# KiCad board rgbwstrip120_250_panel.kicad_pcb
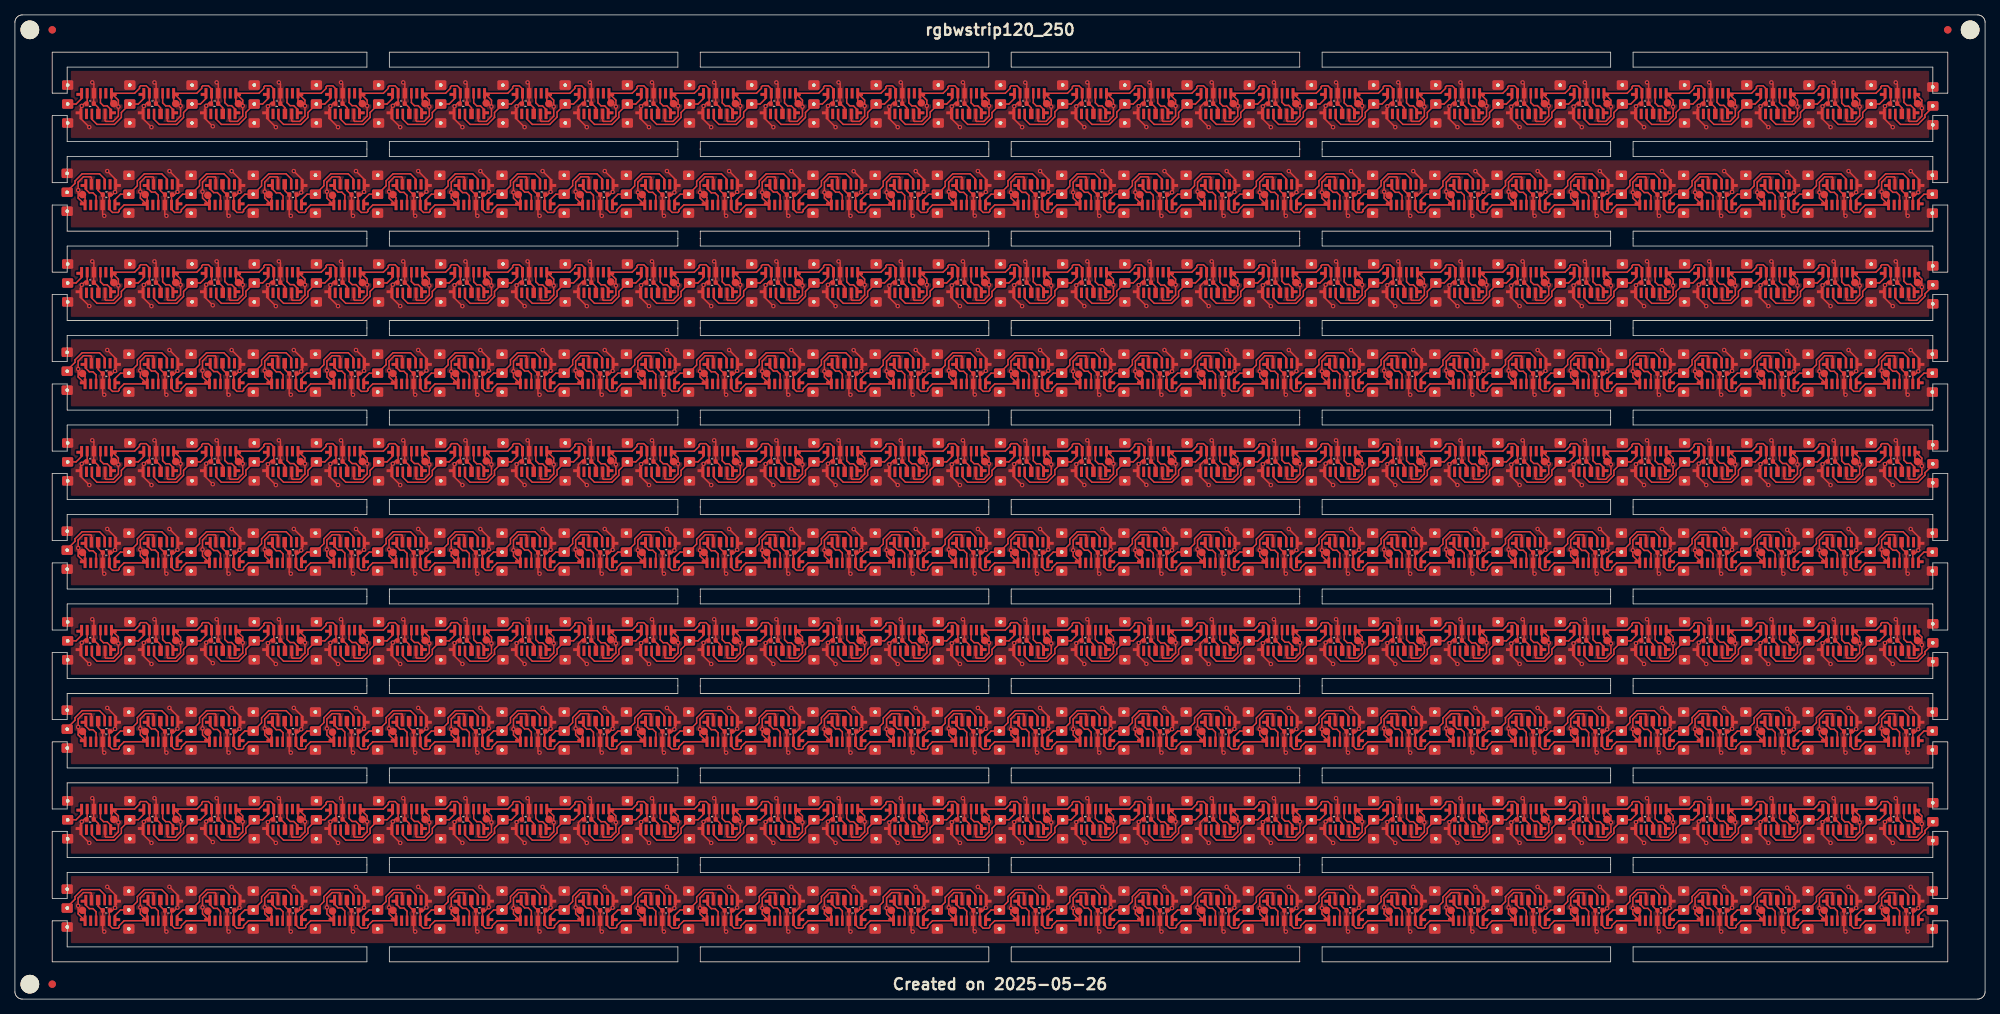
[diagram p0: board, top side]
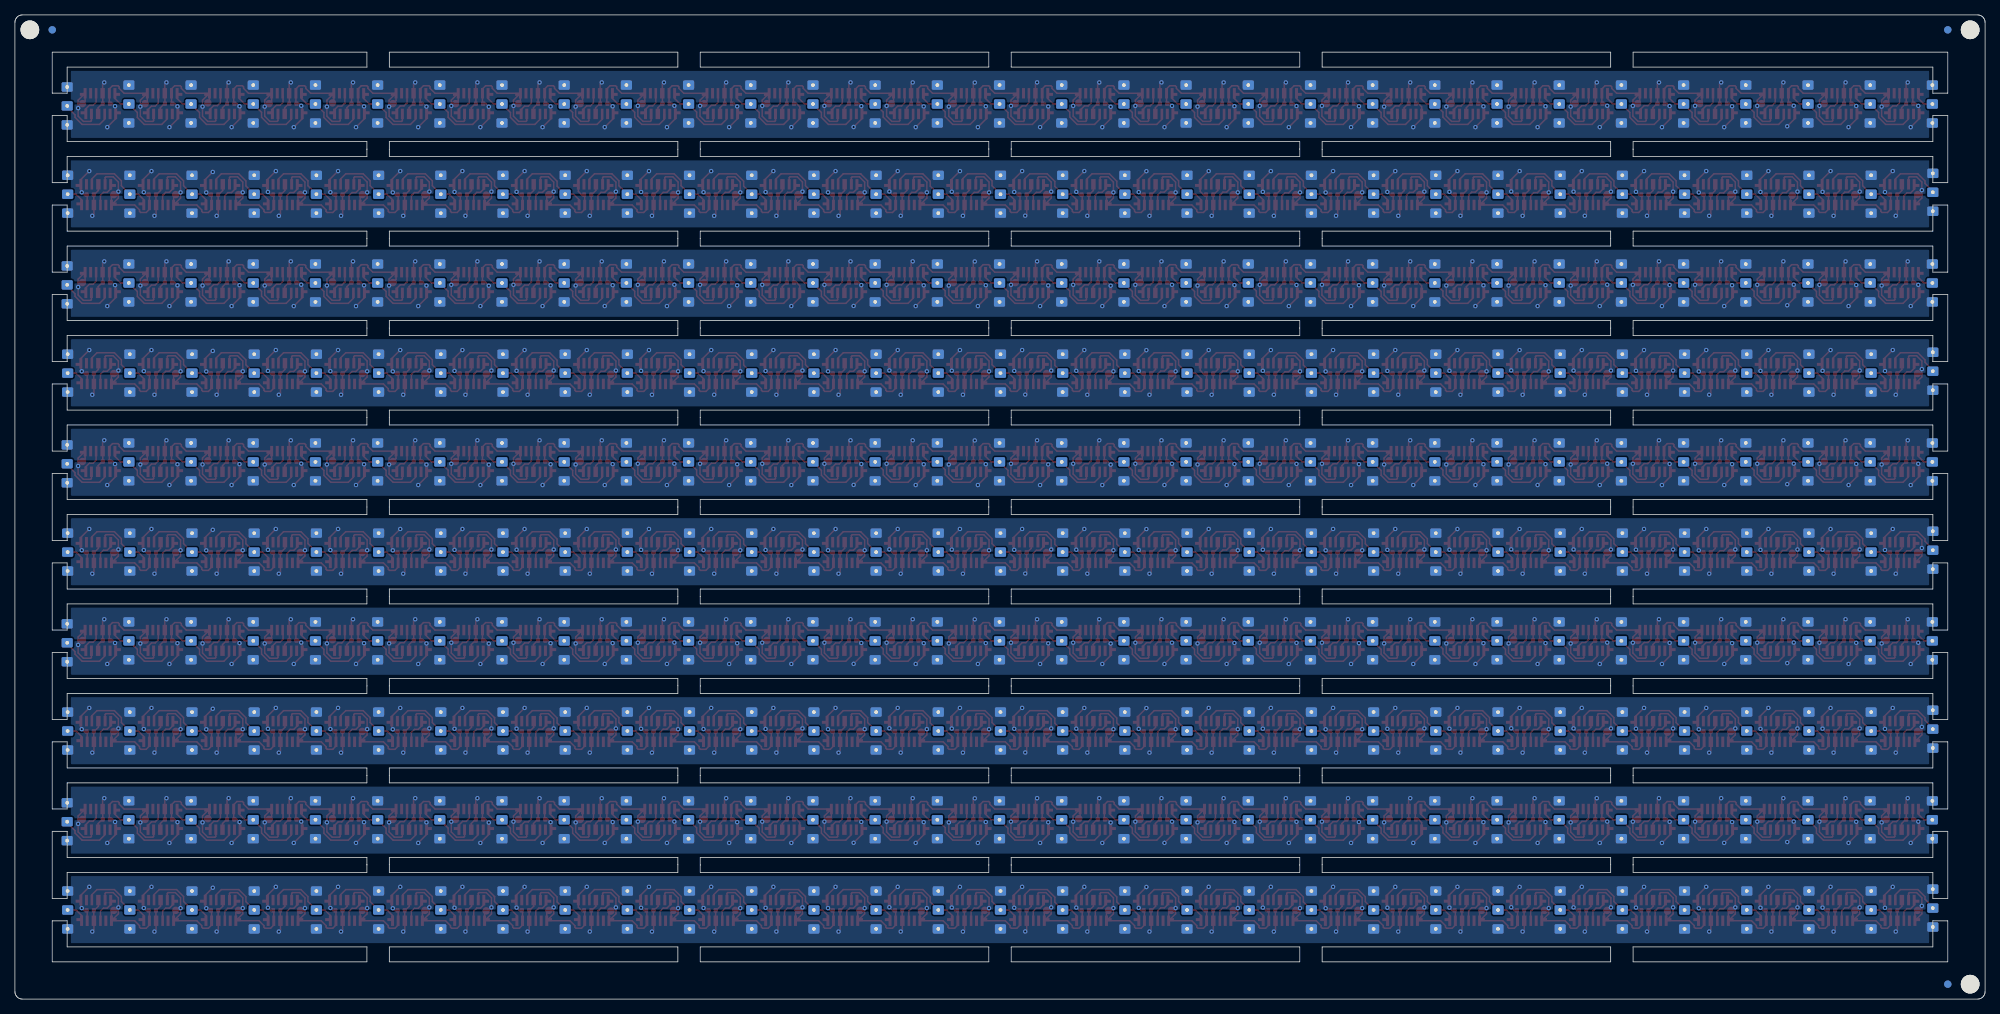
[diagram p1: board, bottom side, seen from below]

Outline 264 x 132 mm; copper layers: Top, Bottom. Coordinates in mm from the lower left corner of the outline.
Outline path: 0,131 0,1 0,0.9 0.02,0.8 0.04,0.71 0.08,0.62 0.12,0.53 0.17,0.44 0.23,0.37 0.29,0.29 0.37,0.23 0.44,0.17 0.53,0.12 0.62,0.08 0.71,0.04 0.8,0.02 0.9,0 1,0 263,0 263.1,0 263.2,0.02 263.29,0.04 263.38,0.08 263.47,0.12 263.56,0.17 263.63,0.23 263.71,0.29 263.77,0.37 263.83,0.44 263.88,0.53 263.92,0.62 263.96,0.71 263.98,0.8 264,0.9 264,1 264,131 264,131.1 263.98,131.2 263.96,131.29 263.92,131.38 263.88,131.47 263.83,131.56 263.77,131.63 263.71,131.71 263.63,131.77 263.56,131.83 263.47,131.88 263.38,131.92 263.29,131.96 263.2,131.98 263.1,132 263,132 1,132 0.9,132 0.8,131.98 0.71,131.96 0.62,131.92 0.53,131.88 0.44,131.83 0.37,131.77 0.29,131.71 0.23,131.63 0.17,131.56 0.12,131.47 0.08,131.38 0.04,131.29 0.02,131.2 0,131.1 0,131 ; 5,127 47.17,127 47.17,125 7,125 7,121.5 5,121.5 5,127 ; 5,118.5 7,118.5 7,115 47.17,115 47.17,113 7,113 7,109.5 5,109.5 5,118.5 ; 5,106.5 7,106.5 7,103 47.17,103 47.17,101 7,101 7,97.5 5,97.5 5,106.5 ; 5,94.5 7,94.5 7,91 47.17,91 47.17,89 7,89 7,85.5 5,85.5 5,94.5 ; 5,82.5 7,82.5 7,79 47.17,79 47.17,77 7,77 7,73.5 5,73.5 5,82.5 ; 5,70.5 7,70.5 7,67 47.17,67 47.17,65 7,65 7,61.5 5,61.5 5,70.5 ; 5,58.5 7,58.5 7,55 47.17,55 47.17,53 7,53 7,49.5 5,49.5 5,58.5 ; 5,46.5 7,46.5 7,43 47.17,43 47.17,41 7,41 7,37.5 5,37.5 5,46.5 ; 5,34.5 7,34.5 7,31 47.17,31 47.17,29 7,29 7,25.5 5,25.5 5,34.5 ; 5,22.5 7,22.5 7,19 47.17,19 47.17,17 7,17 7,13.5 5,13.5 5,22.5 ; 5,10.5 7,10.5 7,7 47.17,7 47.17,5 5,5 5,10.5 ; 50.17,127 88.83,127 88.83,125 50.17,125 50.17,127 ; 50.17,115 88.83,115 88.83,113 50.17,113 50.17,115 ; 50.17,103 88.83,103 88.83,101 50.17,101 50.17,103 ; 50.17,91 88.83,91 88.83,89 50.17,89 50.17,91 ; 50.17,79 88.83,79 88.83,77 50.17,77 50.17,79 ; 50.17,67 88.83,67 88.83,65 50.17,65 50.17,67 ; 50.17,55 88.83,55 88.83,53 50.17,53 50.17,55 ; 50.17,43 88.83,43 88.83,41 50.17,41 50.17,43 ; 50.17,31 88.83,31 88.83,29 50.17,29 50.17,31 ; 50.17,19 88.83,19 88.83,17 50.17,17 50.17,19 ; 50.17,7 88.83,7 88.83,5 50.17,5 50.17,7 ; 91.83,127 130.5,127 130.5,125 91.83,125 91.83,127 ; 91.83,115 130.5,115 130.5,113 91.83,113 91.83,115 ; 91.83,103 130.5,103 130.5,101 91.83,101 91.83,103 ; 91.83,91 130.5,91 130.5,89 91.83,89 91.83,91 ; 91.83,79 130.5,79 130.5,77 91.83,77 91.83,79 ; 91.83,67 130.5,67 130.5,65 91.83,65 91.83,67 ; 91.83,55 130.5,55 130.5,53 91.83,53 91.83,55 ; 91.83,43 130.5,43 130.5,41 91.83,41 91.83,43 ; 91.83,31 130.5,31 130.5,29 91.83,29 91.83,31 ; 91.83,19 130.5,19 130.5,17 91.83,17 91.83,19 ; 91.83,7 130.5,7 130.5,5 91.83,5 91.83,7 ; 133.5,127 172.17,127 172.17,125 133.5,125 133.5,127 ; 133.5,115 172.17,115 172.17,113 133.5,113 133.5,115 ; 133.5,103 172.17,103 172.17,101 133.5,101 133.5,103 ; 133.5,91 172.17,91 172.17,89 133.5,89 133.5,91 ; 133.5,79 172.17,79 172.17,77 133.5,77 133.5,79 ; 133.5,67 172.17,67 172.17,65 133.5,65 133.5,67 ; 133.5,55 172.17,55 172.17,53 133.5,53 133.5,55 ; 133.5,43 172.17,43 172.17,41 133.5,41 133.5,43 ; 133.5,31 172.17,31 172.17,29 133.5,29 133.5,31 ; 133.5,19 172.17,19 172.17,17 133.5,17 133.5,19 ; 133.5,7 172.17,7 172.17,5 133.5,5 133.5,7 ; 175.17,127 213.83,127 213.83,125 175.17,125 175.17,127 ; 175.17,115 213.83,115 213.83,113 175.17,113 175.17,115 ; 175.17,103 213.83,103 213.83,101 175.17,101 175.17,103 ; 175.17,91 213.83,91 213.83,89 175.17,89 175.17,91 ; 175.17,79 213.83,79 213.83,77 175.17,77 175.17,79 ; 175.17,67 213.83,67 213.83,65 175.17,65 175.17,67 ; 175.17,55 213.83,55 213.83,53 175.17,53 175.17,55 ; 175.17,43 213.83,43 213.83,41 175.17,41 175.17,43 ; 175.17,31 213.83,31 213.83,29 175.17,29 175.17,31 ; 175.17,19 213.83,19 213.83,17 175.17,17 175.17,19 ; 175.17,7 213.83,7 213.83,5 175.17,5 175.17,7 ; 216.83,127 259,127 259,121.5 257,121.5 257,125 216.83,125 216.83,127 ; 216.83,115 257,115 257,118.5 259,118.5 259,109.5 257,109.5 257,113 216.83,113 216.83,115 ; 216.83,103 257,103 257,106.5 259,106.5 259,97.5 257,97.5 257,101 216.83,101 216.83,103 ; 216.83,91 257,91 257,94.5 259,94.5 259,85.5 257,85.5 257,89 216.83,89 216.83,91 ; 216.83,79 257,79 257,82.5 259,82.5 259,73.5 257,73.5 257,77 216.83,77 216.83,79 ; 216.83,67 257,67 257,70.5 259,70.5 259,61.5 257,61.5 257,65 216.83,65 216.83,67 ; 216.83,55 257,55 257,58.5 259,58.5 259,49.5 257,49.5 257,53 216.83,53 216.83,55 ; 216.83,43 257,43 257,46.5 259,46.5 259,37.5 257,37.5 257,41 216.83,41 216.83,43 ; 216.83,31 257,31 257,34.5 259,34.5 259,25.5 257,25.5 257,29 216.83,29 216.83,31 ; 216.83,19 257,19 257,22.5 259,22.5 259,13.5 257,13.5 257,17 216.83,17 216.83,19 ; 216.83,7 257,7 257,10.5 259,10.5 259,5 216.83,5 216.83,7

## Placement (name value [footprint] x y rotation side)
C1  100n  [C_0402_1005Metric]  253.92 59.9 180 top
C1#2  100n  [C_0402_1005Metric]  253.92 11.9 180 top
C1#3  100n  [C_0402_1005Metric]  10.08 72.1 0 top
C1#4  100n  [C_0402_1005Metric]  253.92 35.9 180 top
C1#5  100n  [C_0402_1005Metric]  253.92 107.9 180 top
C1#6  100n  [C_0402_1005Metric]  10.08 48.1 0 top
C1#7  100n  [C_0402_1005Metric]  10.08 96.1 0 top
C1#8  100n  [C_0402_1005Metric]  10.08 120.1 0 top
C1#9  100n  [C_0402_1005Metric]  10.08 24.1 0 top
C1#10  100n  [C_0402_1005Metric]  253.92 83.9 180 top
C2  100n  [C_0402_1005Metric]  18.42 48.1 0 top
C2#2  100n  [C_0402_1005Metric]  18.42 96.1 0 top
C2#3  100n  [C_0402_1005Metric]  245.58 107.9 180 top
C2#4  100n  [C_0402_1005Metric]  245.58 35.9 180 top
C2#5  100n  [C_0402_1005Metric]  245.58 83.9 180 top
C2#6  100n  [C_0402_1005Metric]  18.42 72.1 0 top
C2#7  100n  [C_0402_1005Metric]  18.42 24.1 0 top
C2#8  100n  [C_0402_1005Metric]  245.58 59.9 180 top
C2#9  100n  [C_0402_1005Metric]  245.58 11.9 180 top
C2#10  100n  [C_0402_1005Metric]  18.42 120.1 0 top
C3  100n  [C_0402_1005Metric]  237.25 83.9 180 top
C3#2  100n  [C_0402_1005Metric]  26.75 96.1 0 top
C3#3  100n  [C_0402_1005Metric]  237.25 107.9 180 top
C3#4  100n  [C_0402_1005Metric]  237.25 35.9 180 top
C3#5  100n  [C_0402_1005Metric]  237.25 11.9 180 top
C3#6  100n  [C_0402_1005Metric]  237.25 59.9 180 top
C3#7  100n  [C_0402_1005Metric]  26.75 72.1 0 top
C3#8  100n  [C_0402_1005Metric]  26.75 120.1 0 top
C3#9  100n  [C_0402_1005Metric]  26.75 24.1 0 top
C3#10  100n  [C_0402_1005Metric]  26.75 48.1 0 top
C4  100n  [C_0402_1005Metric]  228.92 107.9 180 top
C4#2  100n  [C_0402_1005Metric]  35.08 72.1 0 top
C4#3  100n  [C_0402_1005Metric]  35.08 48.1 0 top
C4#4  100n  [C_0402_1005Metric]  35.08 24.1 0 top
C4#5  100n  [C_0402_1005Metric]  228.92 35.9 180 top
C4#6  100n  [C_0402_1005Metric]  35.08 96.1 0 top
C4#7  100n  [C_0402_1005Metric]  228.92 83.9 180 top
C4#8  100n  [C_0402_1005Metric]  228.92 59.9 180 top
C4#9  100n  [C_0402_1005Metric]  35.08 120.1 0 top
C4#10  100n  [C_0402_1005Metric]  228.92 11.9 180 top
C5  100n  [C_0402_1005Metric]  43.42 72.1 0 top
C5#2  100n  [C_0402_1005Metric]  43.42 120.1 0 top
C5#3  100n  [C_0402_1005Metric]  220.58 11.9 180 top
C5#4  100n  [C_0402_1005Metric]  220.58 59.9 180 top
C5#5  100n  [C_0402_1005Metric]  220.58 107.9 180 top
C5#6  100n  [C_0402_1005Metric]  220.58 35.9 180 top
C5#7  100n  [C_0402_1005Metric]  43.42 96.1 0 top
C5#8  100n  [C_0402_1005Metric]  43.42 48.1 0 top
C5#9  100n  [C_0402_1005Metric]  220.58 83.9 180 top
C5#10  100n  [C_0402_1005Metric]  43.42 24.1 0 top
C6  100n  [C_0402_1005Metric]  212.25 59.9 180 top
C6#2  100n  [C_0402_1005Metric]  212.25 83.9 180 top
C6#3  100n  [C_0402_1005Metric]  51.75 48.1 0 top
C6#4  100n  [C_0402_1005Metric]  51.75 24.1 0 top
C6#5  100n  [C_0402_1005Metric]  212.25 35.9 180 top
C6#6  100n  [C_0402_1005Metric]  212.25 107.9 180 top
C6#7  100n  [C_0402_1005Metric]  51.75 72.1 0 top
C6#8  100n  [C_0402_1005Metric]  51.75 96.1 0 top
C6#9  100n  [C_0402_1005Metric]  51.75 120.1 0 top
C6#10  100n  [C_0402_1005Metric]  212.25 11.9 180 top
C7  100n  [C_0402_1005Metric]  60.08 24.1 0 top
C7#2  100n  [C_0402_1005Metric]  203.92 11.9 180 top
C7#3  100n  [C_0402_1005Metric]  203.92 83.9 180 top
C7#4  100n  [C_0402_1005Metric]  60.08 72.1 0 top
C7#5  100n  [C_0402_1005Metric]  203.92 35.9 180 top
C7#6  100n  [C_0402_1005Metric]  203.92 107.9 180 top
C7#7  100n  [C_0402_1005Metric]  203.92 59.9 180 top
C7#8  100n  [C_0402_1005Metric]  60.08 48.1 0 top
C7#9  100n  [C_0402_1005Metric]  60.08 96.1 0 top
C7#10  100n  [C_0402_1005Metric]  60.08 120.1 0 top
C8  100n  [C_0402_1005Metric]  195.58 11.9 180 top
C8#2  100n  [C_0402_1005Metric]  195.58 35.9 180 top
C8#3  100n  [C_0402_1005Metric]  68.42 120.1 0 top
C8#4  100n  [C_0402_1005Metric]  195.58 83.9 180 top
C8#5  100n  [C_0402_1005Metric]  68.42 24.1 0 top
C8#6  100n  [C_0402_1005Metric]  68.42 96.1 0 top
C8#7  100n  [C_0402_1005Metric]  68.42 48.1 0 top
C8#8  100n  [C_0402_1005Metric]  195.58 59.9 180 top
C8#9  100n  [C_0402_1005Metric]  68.42 72.1 0 top
C8#10  100n  [C_0402_1005Metric]  195.58 107.9 180 top
C9  100n  [C_0402_1005Metric]  187.25 59.9 180 top
C9#2  100n  [C_0402_1005Metric]  187.25 11.9 180 top
C9#3  100n  [C_0402_1005Metric]  76.75 72.1 0 top
C9#4  100n  [C_0402_1005Metric]  187.25 83.9 180 top
C9#5  100n  [C_0402_1005Metric]  76.75 48.1 0 top
C9#6  100n  [C_0402_1005Metric]  76.75 120.1 0 top
C9#7  100n  [C_0402_1005Metric]  187.25 35.9 180 top
C9#8  100n  [C_0402_1005Metric]  76.75 96.1 0 top
C9#9  100n  [C_0402_1005Metric]  76.75 24.1 0 top
C9#10  100n  [C_0402_1005Metric]  187.25 107.9 180 top
C10  100n  [C_0402_1005Metric]  178.92 107.9 180 top
C10#2  100n  [C_0402_1005Metric]  85.08 96.1 0 top
C10#3  100n  [C_0402_1005Metric]  178.92 59.9 180 top
C10#4  100n  [C_0402_1005Metric]  178.92 83.9 180 top
C10#5  100n  [C_0402_1005Metric]  178.92 35.9 180 top
C10#6  100n  [C_0402_1005Metric]  85.08 72.1 0 top
C10#7  100n  [C_0402_1005Metric]  85.08 120.1 0 top
C10#8  100n  [C_0402_1005Metric]  178.92 11.9 180 top
C10#9  100n  [C_0402_1005Metric]  85.08 24.1 0 top
C10#10  100n  [C_0402_1005Metric]  85.08 48.1 0 top
C11  100n  [C_0402_1005Metric]  170.58 107.9 180 top
C11#2  100n  [C_0402_1005Metric]  93.42 96.1 0 top
C11#3  100n  [C_0402_1005Metric]  170.58 59.9 180 top
C11#4  100n  [C_0402_1005Metric]  93.42 48.1 0 top
C11#5  100n  [C_0402_1005Metric]  170.58 35.9 180 top
C11#6  100n  [C_0402_1005Metric]  93.42 72.1 0 top
C11#7  100n  [C_0402_1005Metric]  93.42 120.1 0 top
C11#8  100n  [C_0402_1005Metric]  170.58 11.9 180 top
C11#9  100n  [C_0402_1005Metric]  93.42 24.1 0 top
C11#10  100n  [C_0402_1005Metric]  170.58 83.9 180 top
C12  100n  [C_0402_1005Metric]  162.25 35.9 180 top
C12#2  100n  [C_0402_1005Metric]  101.75 48.1 0 top
C12#3  100n  [C_0402_1005Metric]  101.75 24.1 0 top
C12#4  100n  [C_0402_1005Metric]  162.25 11.9 180 top
C12#5  100n  [C_0402_1005Metric]  101.75 96.1 0 top
C12#6  100n  [C_0402_1005Metric]  101.75 120.1 0 top
C12#7  100n  [C_0402_1005Metric]  162.25 107.9 180 top
C12#8  100n  [C_0402_1005Metric]  162.25 59.9 180 top
C12#9  100n  [C_0402_1005Metric]  162.25 83.9 180 top
C12#10  100n  [C_0402_1005Metric]  101.75 72.1 0 top
C13  100n  [C_0402_1005Metric]  153.92 107.9 180 top
C13#2  100n  [C_0402_1005Metric]  153.92 83.9 180 top
C13#3  100n  [C_0402_1005Metric]  110.08 48.1 0 top
C13#4  100n  [C_0402_1005Metric]  110.08 24.1 0 top
C13#5  100n  [C_0402_1005Metric]  153.92 11.9 180 top
C13#6  100n  [C_0402_1005Metric]  153.92 35.9 180 top
C13#7  100n  [C_0402_1005Metric]  110.08 72.1 0 top
C13#8  100n  [C_0402_1005Metric]  110.08 96.1 0 top
C13#9  100n  [C_0402_1005Metric]  110.08 120.1 0 top
C13#10  100n  [C_0402_1005Metric]  153.92 59.9 180 top
C14  100n  [C_0402_1005Metric]  118.42 120.1 0 top
C14#2  100n  [C_0402_1005Metric]  118.42 48.1 0 top
C14#3  100n  [C_0402_1005Metric]  145.58 107.9 180 top
C14#4  100n  [C_0402_1005Metric]  118.42 96.1 0 top
C14#5  100n  [C_0402_1005Metric]  145.58 11.9 180 top
C14#6  100n  [C_0402_1005Metric]  145.58 59.9 180 top
C14#7  100n  [C_0402_1005Metric]  145.58 83.9 180 top
C14#8  100n  [C_0402_1005Metric]  118.42 72.1 0 top
C14#9  100n  [C_0402_1005Metric]  118.42 24.1 0 top
C14#10  100n  [C_0402_1005Metric]  145.58 35.9 180 top
C15  100n  [C_0402_1005Metric]  126.75 96.1 0 top
C15#2  100n  [C_0402_1005Metric]  126.75 24.1 0 top
C15#3  100n  [C_0402_1005Metric]  137.25 11.9 180 top
C15#4  100n  [C_0402_1005Metric]  137.25 107.9 180 top
C15#5  100n  [C_0402_1005Metric]  137.25 35.9 180 top
C15#6  100n  [C_0402_1005Metric]  126.75 72.1 0 top
C15#7  100n  [C_0402_1005Metric]  126.75 120.1 0 top
C15#8  100n  [C_0402_1005Metric]  137.25 83.9 180 top
C15#9  100n  [C_0402_1005Metric]  126.75 48.1 0 top
C15#10  100n  [C_0402_1005Metric]  137.25 59.9 180 top
C16  100n  [C_0402_1005Metric]  135.08 24.1 0 top
C16#2  100n  [C_0402_1005Metric]  135.08 120.1 0 top
C16#3  100n  [C_0402_1005Metric]  135.08 96.1 0 top
C16#4  100n  [C_0402_1005Metric]  128.92 11.9 180 top
C16#5  100n  [C_0402_1005Metric]  135.08 48.1 0 top
C16#6  100n  [C_0402_1005Metric]  128.92 83.9 180 top
C16#7  100n  [C_0402_1005Metric]  128.92 59.9 180 top
C16#8  100n  [C_0402_1005Metric]  135.08 72.1 0 top
C16#9  100n  [C_0402_1005Metric]  128.92 35.9 180 top
C16#10  100n  [C_0402_1005Metric]  128.92 107.9 180 top
C17  100n  [C_0402_1005Metric]  143.42 72.1 0 top
C17#2  100n  [C_0402_1005Metric]  120.58 11.9 180 top
C17#3  100n  [C_0402_1005Metric]  143.42 48.1 0 top
C17#4  100n  [C_0402_1005Metric]  143.42 120.1 0 top
C17#5  100n  [C_0402_1005Metric]  143.42 24.1 0 top
C17#6  100n  [C_0402_1005Metric]  120.58 59.9 180 top
C17#7  100n  [C_0402_1005Metric]  120.58 107.9 180 top
C17#8  100n  [C_0402_1005Metric]  120.58 35.9 180 top
C17#9  100n  [C_0402_1005Metric]  120.58 83.9 180 top
C17#10  100n  [C_0402_1005Metric]  143.42 96.1 0 top
C18  100n  [C_0402_1005Metric]  112.25 107.9 180 top
C18#2  100n  [C_0402_1005Metric]  151.75 48.1 0 top
C18#3  100n  [C_0402_1005Metric]  151.75 24.1 0 top
C18#4  100n  [C_0402_1005Metric]  151.75 72.1 0 top
C18#5  100n  [C_0402_1005Metric]  112.25 59.9 180 top
C18#6  100n  [C_0402_1005Metric]  151.75 120.1 0 top
C18#7  100n  [C_0402_1005Metric]  151.75 96.1 0 top
C18#8  100n  [C_0402_1005Metric]  112.25 35.9 180 top
C18#9  100n  [C_0402_1005Metric]  112.25 11.9 180 top
C18#10  100n  [C_0402_1005Metric]  112.25 83.9 180 top
C19  100n  [C_0402_1005Metric]  103.92 35.9 180 top
C19#2  100n  [C_0402_1005Metric]  103.92 107.9 180 top
C19#3  100n  [C_0402_1005Metric]  160.08 120.1 0 top
C19#4  100n  [C_0402_1005Metric]  160.08 96.1 0 top
C19#5  100n  [C_0402_1005Metric]  160.08 24.1 0 top
C19#6  100n  [C_0402_1005Metric]  103.92 83.9 180 top
C19#7  100n  [C_0402_1005Metric]  103.92 59.9 180 top
C19#8  100n  [C_0402_1005Metric]  103.92 11.9 180 top
C19#9  100n  [C_0402_1005Metric]  160.08 48.1 0 top
C19#10  100n  [C_0402_1005Metric]  160.08 72.1 0 top
C20  100n  [C_0402_1005Metric]  168.42 72.1 0 top
C20#2  100n  [C_0402_1005Metric]  95.58 11.9 180 top
C20#3  100n  [C_0402_1005Metric]  95.58 83.9 180 top
C20#4  100n  [C_0402_1005Metric]  95.58 107.9 180 top
C20#5  100n  [C_0402_1005Metric]  95.58 35.9 180 top
C20#6  100n  [C_0402_1005Metric]  168.42 48.1 0 top
C20#7  100n  [C_0402_1005Metric]  168.42 120.1 0 top
C20#8  100n  [C_0402_1005Metric]  168.42 24.1 0 top
C20#9  100n  [C_0402_1005Metric]  168.42 96.1 0 top
C20#10  100n  [C_0402_1005Metric]  95.58 59.9 180 top
C21  100n  [C_0402_1005Metric]  87.25 35.9 180 top
C21#2  100n  [C_0402_1005Metric]  87.25 107.9 180 top
C21#3  100n  [C_0402_1005Metric]  176.75 120.1 0 top
C21#4  100n  [C_0402_1005Metric]  176.75 72.1 0 top
C21#5  100n  [C_0402_1005Metric]  176.75 96.1 0 top
C21#6  100n  [C_0402_1005Metric]  87.25 59.9 180 top
C21#7  100n  [C_0402_1005Metric]  176.75 24.1 0 top
C21#8  100n  [C_0402_1005Metric]  87.25 11.9 180 top
C21#9  100n  [C_0402_1005Metric]  87.25 83.9 180 top
C21#10  100n  [C_0402_1005Metric]  176.75 48.1 0 top
C22  100n  [C_0402_1005Metric]  78.92 107.9 180 top
C22#2  100n  [C_0402_1005Metric]  185.08 96.1 0 top
C22#3  100n  [C_0402_1005Metric]  78.92 35.9 180 top
C22#4  100n  [C_0402_1005Metric]  185.08 72.1 0 top
C22#5  100n  [C_0402_1005Metric]  78.92 11.9 180 top
C22#6  100n  [C_0402_1005Metric]  185.08 48.1 0 top
C22#7  100n  [C_0402_1005Metric]  78.92 59.9 180 top
C22#8  100n  [C_0402_1005Metric]  78.92 83.9 180 top
C22#9  100n  [C_0402_1005Metric]  185.08 120.1 0 top
C22#10  100n  [C_0402_1005Metric]  185.08 24.1 0 top
C23  100n  [C_0402_1005Metric]  70.58 107.9 180 top
C23#2  100n  [C_0402_1005Metric]  193.42 96.1 0 top
C23#3  100n  [C_0402_1005Metric]  193.42 48.1 0 top
C23#4  100n  [C_0402_1005Metric]  70.58 83.9 180 top
C23#5  100n  [C_0402_1005Metric]  193.42 120.1 0 top
C23#6  100n  [C_0402_1005Metric]  70.58 35.9 180 top
C23#7  100n  [C_0402_1005Metric]  70.58 59.9 180 top
C23#8  100n  [C_0402_1005Metric]  70.58 11.9 180 top
C23#9  100n  [C_0402_1005Metric]  193.42 24.1 0 top
C23#10  100n  [C_0402_1005Metric]  193.42 72.1 0 top
C24  100n  [C_0402_1005Metric]  201.75 96.1 0 top
C24#2  100n  [C_0402_1005Metric]  201.75 48.1 0 top
C24#3  100n  [C_0402_1005Metric]  62.25 11.9 180 top
C24#4  100n  [C_0402_1005Metric]  62.25 83.9 180 top
C24#5  100n  [C_0402_1005Metric]  62.25 35.9 180 top
C24#6  100n  [C_0402_1005Metric]  62.25 59.9 180 top
C24#7  100n  [C_0402_1005Metric]  201.75 24.1 0 top
C24#8  100n  [C_0402_1005Metric]  62.25 107.9 180 top
C24#9  100n  [C_0402_1005Metric]  201.75 72.1 0 top
C24#10  100n  [C_0402_1005Metric]  201.75 120.1 0 top
C25  100n  [C_0402_1005Metric]  210.08 48.1 0 top
C25#2  100n  [C_0402_1005Metric]  53.92 83.9 180 top
C25#3  100n  [C_0402_1005Metric]  210.08 120.1 0 top
C25#4  100n  [C_0402_1005Metric]  53.92 59.9 180 top
C25#5  100n  [C_0402_1005Metric]  210.08 96.1 0 top
C25#6  100n  [C_0402_1005Metric]  53.92 11.9 180 top
C25#7  100n  [C_0402_1005Metric]  210.08 24.1 0 top
C25#8  100n  [C_0402_1005Metric]  210.08 72.1 0 top
C25#9  100n  [C_0402_1005Metric]  53.92 35.9 180 top
C25#10  100n  [C_0402_1005Metric]  53.92 107.9 180 top
C26  100n  [C_0402_1005Metric]  45.58 107.9 180 top
C26#2  100n  [C_0402_1005Metric]  45.58 83.9 180 top
C26#3  100n  [C_0402_1005Metric]  45.58 59.9 180 top
C26#4  100n  [C_0402_1005Metric]  218.42 24.1 0 top
C26#5  100n  [C_0402_1005Metric]  45.58 35.9 180 top
C26#6  100n  [C_0402_1005Metric]  218.42 48.1 0 top
C26#7  100n  [C_0402_1005Metric]  218.42 96.1 0 top
C26#8  100n  [C_0402_1005Metric]  218.42 120.1 0 top
C26#9  100n  [C_0402_1005Metric]  218.42 72.1 0 top
C26#10  100n  [C_0402_1005Metric]  45.58 11.9 180 top
C27  100n  [C_0402_1005Metric]  37.25 83.9 180 top
C27#2  100n  [C_0402_1005Metric]  226.75 48.1 0 top
C27#3  100n  [C_0402_1005Metric]  37.25 59.9 180 top
C27#4  100n  [C_0402_1005Metric]  226.75 72.1 0 top
C27#5  100n  [C_0402_1005Metric]  37.25 35.9 180 top
C27#6  100n  [C_0402_1005Metric]  226.75 24.1 0 top
C27#7  100n  [C_0402_1005Metric]  37.25 11.9 180 top
C27#8  100n  [C_0402_1005Metric]  37.25 107.9 180 top
C27#9  100n  [C_0402_1005Metric]  226.75 120.1 0 top
C27#10  100n  [C_0402_1005Metric]  226.75 96.1 0 top
C28  100n  [C_0402_1005Metric]  235.08 72.1 0 top
C28#2  100n  [C_0402_1005Metric]  28.92 59.9 180 top
C28#3  100n  [C_0402_1005Metric]  235.08 120.1 0 top
C28#4  100n  [C_0402_1005Metric]  28.92 107.9 180 top
C28#5  100n  [C_0402_1005Metric]  28.92 35.9 180 top
C28#6  100n  [C_0402_1005Metric]  28.92 83.9 180 top
C28#7  100n  [C_0402_1005Metric]  235.08 24.1 0 top
C28#8  100n  [C_0402_1005Metric]  28.92 11.9 180 top
C28#9  100n  [C_0402_1005Metric]  235.08 48.1 0 top
C28#10  100n  [C_0402_1005Metric]  235.08 96.1 0 top
C29  100n  [C_0402_1005Metric]  243.42 24.1 0 top
C29#2  100n  [C_0402_1005Metric]  20.58 11.9 180 top
C29#3  100n  [C_0402_1005Metric]  20.58 35.9 180 top
C29#4  100n  [C_0402_1005Metric]  243.42 96.1 0 top
C29#5  100n  [C_0402_1005Metric]  243.42 48.1 0 top
C29#6  100n  [C_0402_1005Metric]  20.58 107.9 180 top
C29#7  100n  [C_0402_1005Metric]  243.42 120.1 0 top
C29#8  100n  [C_0402_1005Metric]  243.42 72.1 0 top
C29#9  100n  [C_0402_1005Metric]  20.58 83.9 180 top
C29#10  100n  [C_0402_1005Metric]  20.58 59.9 180 top
C30  100n  [C_0402_1005Metric]  251.75 96.1 0 top
C30#2  100n  [C_0402_1005Metric]  12.25 35.9 180 top
C30#3  100n  [C_0402_1005Metric]  12.25 83.9 180 top
C30#4  100n  [C_0402_1005Metric]  12.25 11.9 180 top
C30#5  100n  [C_0402_1005Metric]  12.25 59.9 180 top
C30#6  100n  [C_0402_1005Metric]  251.75 48.1 0 top
C30#7  100n  [C_0402_1005Metric]  12.25 107.9 180 top
C30#8  100n  [C_0402_1005Metric]  251.75 120.1 0 top
C30#9  100n  [C_0402_1005Metric]  251.75 72.1 0 top
C30#10  100n  [C_0402_1005Metric]  251.75 24.1 0 top
J1  ~  [3PADSPLIT]  7.06 120.05 180 top
J1#2  ~  [3PADSPLIT]  7.06 24.05 180 top
J1#3  ~  [3PADSPLIT]  256.94 83.95 0 top
J1#4  ~  [3PADSPLIT]  7.06 72.05 180 top
J1#5  ~  [3PADSPLIT]  256.94 59.95 0 top
J1#6  ~  [3PADSPLIT]  7.06 48.05 180 top
J1#7  ~  [3PADSPLIT]  256.94 107.95 0 top
J1#8  ~  [3PADSPLIT]  256.94 35.95 0 top
J1#9  ~  [3PADSPLIT]  256.94 11.95 0 top
J1#10  ~  [3PADSPLIT]  7.06 96.05 180 top
J2  ~  [3PADSPLIT]  248.6 59.95 0 top
J2#2  ~  [3PADSPLIT]  248.6 83.95 0 top
J2#3  ~  [3PADSPLIT]  15.4 24.05 180 top
J2#4  ~  [3PADSPLIT]  15.4 48.05 180 top
J2#5  ~  [3PADSPLIT]  15.4 96.05 180 top
J2#6  ~  [3PADSPLIT]  248.6 11.95 0 top
J2#7  ~  [3PADSPLIT]  15.4 72.05 180 top
J2#8  ~  [3PADSPLIT]  248.6 35.95 0 top
J2#9  ~  [3PADSPLIT]  248.6 107.95 0 top
J2#10  ~  [3PADSPLIT]  15.4 120.05 180 top
J3  ~  [3PADSPLIT]  23.73 72.05 180 top
J3#2  ~  [3PADSPLIT]  240.27 11.95 0 top
J3#3  ~  [3PADSPLIT]  23.73 96.05 180 top
J3#4  ~  [3PADSPLIT]  240.27 83.95 0 top
J3#5  ~  [3PADSPLIT]  240.27 59.95 0 top
J3#6  ~  [3PADSPLIT]  240.27 107.95 0 top
J3#7  ~  [3PADSPLIT]  23.73 24.05 180 top
J3#8  ~  [3PADSPLIT]  240.27 35.95 0 top
J3#9  ~  [3PADSPLIT]  23.73 48.05 180 top
J3#10  ~  [3PADSPLIT]  23.73 120.05 180 top
J4  ~  [3PADSPLIT]  231.94 107.95 0 top
J4#2  ~  [3PADSPLIT]  32.06 120.05 180 top
J4#3  ~  [3PADSPLIT]  32.06 48.05 180 top
J4#4  ~  [3PADSPLIT]  231.94 83.95 0 top
J4#5  ~  [3PADSPLIT]  231.94 59.95 0 top
J4#6  ~  [3PADSPLIT]  231.94 11.95 0 top
J4#7  ~  [3PADSPLIT]  231.94 35.95 0 top
J4#8  ~  [3PADSPLIT]  32.06 24.05 180 top
J4#9  ~  [3PADSPLIT]  32.06 72.05 180 top
J4#10  ~  [3PADSPLIT]  32.06 96.05 180 top
J5  ~  [3PADSPLIT]  223.6 59.95 0 top
J5#2  ~  [3PADSPLIT]  40.4 96.05 180 top
J5#3  ~  [3PADSPLIT]  223.6 83.95 0 top
J5#4  ~  [3PADSPLIT]  40.4 24.05 180 top
J5#5  ~  [3PADSPLIT]  223.6 11.95 0 top
J5#6  ~  [3PADSPLIT]  40.4 120.05 180 top
J5#7  ~  [3PADSPLIT]  223.6 107.95 0 top
J5#8  ~  [3PADSPLIT]  40.4 48.05 180 top
J5#9  ~  [3PADSPLIT]  223.6 35.95 0 top
J5#10  ~  [3PADSPLIT]  40.4 72.05 180 top
J6  ~  [3PADSPLIT]  48.73 120.05 180 top
J6#2  ~  [3PADSPLIT]  215.27 35.95 0 top
J6#3  ~  [3PADSPLIT]  48.73 24.05 180 top
J6#4  ~  [3PADSPLIT]  215.27 11.95 0 top
J6#5  ~  [3PADSPLIT]  48.73 96.05 180 top
J6#6  ~  [3PADSPLIT]  215.27 59.95 0 top
J6#7  ~  [3PADSPLIT]  215.27 83.95 0 top
J6#8  ~  [3PADSPLIT]  215.27 107.95 0 top
J6#9  ~  [3PADSPLIT]  48.73 48.05 180 top
J6#10  ~  [3PADSPLIT]  48.73 72.05 180 top
J7  ~  [3PADSPLIT]  206.94 35.95 0 top
J7#2  ~  [3PADSPLIT]  57.06 48.05 180 top
J7#3  ~  [3PADSPLIT]  57.06 96.05 180 top
J7#4  ~  [3PADSPLIT]  206.94 83.95 0 top
J7#5  ~  [3PADSPLIT]  206.94 59.95 0 top
J7#6  ~  [3PADSPLIT]  57.06 120.05 180 top
J7#7  ~  [3PADSPLIT]  206.94 11.95 0 top
J7#8  ~  [3PADSPLIT]  206.94 107.95 0 top
J7#9  ~  [3PADSPLIT]  57.06 24.05 180 top
J7#10  ~  [3PADSPLIT]  57.06 72.05 180 top
J8  ~  [3PADSPLIT]  198.6 11.95 0 top
J8#2  ~  [3PADSPLIT]  65.4 48.05 180 top
J8#3  ~  [3PADSPLIT]  65.4 72.05 180 top
J8#4  ~  [3PADSPLIT]  65.4 120.05 180 top
J8#5  ~  [3PADSPLIT]  198.6 83.95 0 top
J8#6  ~  [3PADSPLIT]  198.6 59.95 0 top
J8#7  ~  [3PADSPLIT]  198.6 35.95 0 top
J8#8  ~  [3PADSPLIT]  65.4 24.05 180 top
J8#9  ~  [3PADSPLIT]  65.4 96.05 180 top
J8#10  ~  [3PADSPLIT]  198.6 107.95 0 top
J9  ~  [3PADSPLIT]  73.73 120.05 180 top
J9#2  ~  [3PADSPLIT]  190.27 107.95 0 top
J9#3  ~  [3PADSPLIT]  73.73 96.05 180 top
J9#4  ~  [3PADSPLIT]  190.27 83.95 0 top
J9#5  ~  [3PADSPLIT]  190.27 35.95 0 top
J9#6  ~  [3PADSPLIT]  73.73 72.05 180 top
J9#7  ~  [3PADSPLIT]  73.73 24.05 180 top
J9#8  ~  [3PADSPLIT]  73.73 48.05 180 top
J9#9  ~  [3PADSPLIT]  190.27 59.95 0 top
J9#10  ~  [3PADSPLIT]  190.27 11.95 0 top
J10  ~  [3PADSPLIT]  181.94 11.95 0 top
J10#2  ~  [3PADSPLIT]  82.06 72.05 180 top
J10#3  ~  [3PADSPLIT]  181.94 83.95 0 top
J10#4  ~  [3PADSPLIT]  82.06 24.05 180 top
J10#5  ~  [3PADSPLIT]  82.06 120.05 180 top
J10#6  ~  [3PADSPLIT]  82.06 48.05 180 top
J10#7  ~  [3PADSPLIT]  181.94 35.95 0 top
J10#8  ~  [3PADSPLIT]  181.94 107.95 0 top
J10#9  ~  [3PADSPLIT]  82.06 96.05 180 top
J10#10  ~  [3PADSPLIT]  181.94 59.95 0 top
J11  ~  [3PADSPLIT]  90.4 96.05 180 top
J11#2  ~  [3PADSPLIT]  173.6 59.95 0 top
J11#3  ~  [3PADSPLIT]  90.4 48.05 180 top
J11#4  ~  [3PADSPLIT]  173.6 83.95 0 top
J11#5  ~  [3PADSPLIT]  90.4 24.05 180 top
J11#6  ~  [3PADSPLIT]  173.6 11.95 0 top
J11#7  ~  [3PADSPLIT]  173.6 107.95 0 top
J11#8  ~  [3PADSPLIT]  173.6 35.95 0 top
J11#9  ~  [3PADSPLIT]  90.4 72.05 180 top
J11#10  ~  [3PADSPLIT]  90.4 120.05 180 top
J12  ~  [3PADSPLIT]  165.27 107.95 0 top
J12#2  ~  [3PADSPLIT]  98.73 48.05 180 top
J12#3  ~  [3PADSPLIT]  165.27 59.95 0 top
J12#4  ~  [3PADSPLIT]  98.73 24.05 180 top
J12#5  ~  [3PADSPLIT]  165.27 83.95 0 top
J12#6  ~  [3PADSPLIT]  98.73 72.05 180 top
J12#7  ~  [3PADSPLIT]  165.27 11.95 0 top
J12#8  ~  [3PADSPLIT]  98.73 96.05 180 top
J12#9  ~  [3PADSPLIT]  98.73 120.05 180 top
J12#10  ~  [3PADSPLIT]  165.27 35.95 0 top
J13  ~  [3PADSPLIT]  156.94 83.95 0 top
J13#2  ~  [3PADSPLIT]  107.06 48.05 180 top
J13#3  ~  [3PADSPLIT]  156.94 35.95 0 top